# Altium PCB ModuleBackup4.PcbDoc (part 1 of 3) (continued)
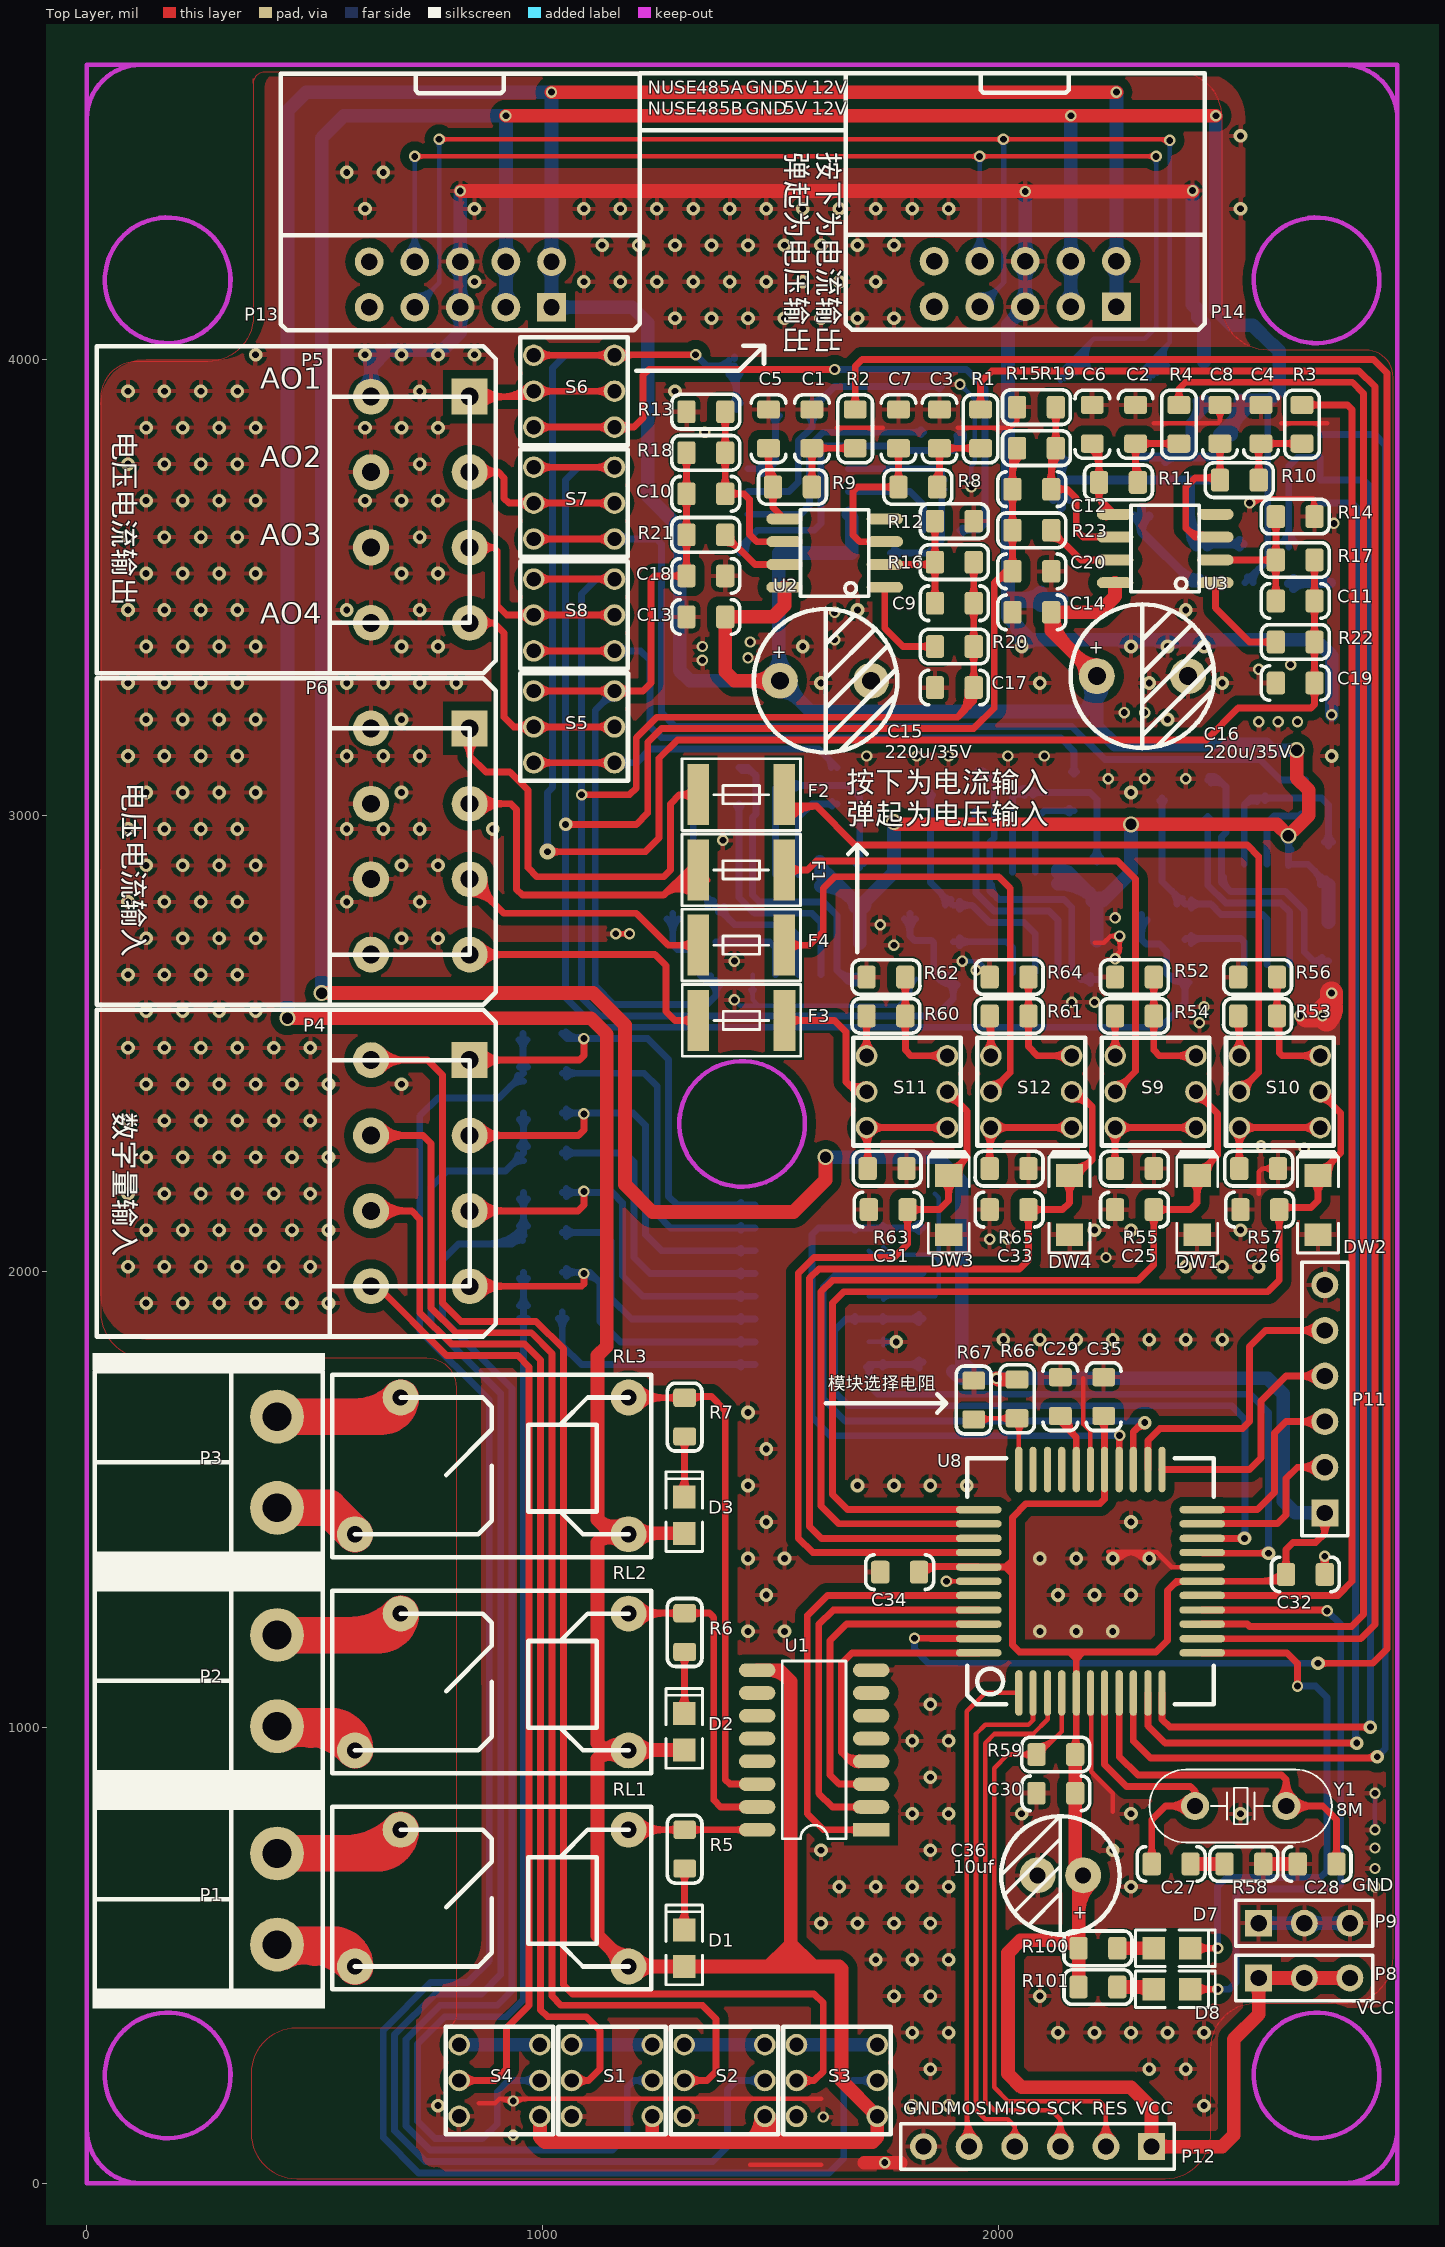
[diagram p0: Top Layer view]
## Footprints (in the part's own frame and the unit in brackets; to place one, negate y for a bottom-side part, rotate by r counter-clockwise, add the part's x,y. Pads: shape width x height; smd on the part's side, far side on the other; paste and mask are expansions set on the pad) (continued)
PPTC_SMT [mm]
  rect 1.2x3.4 smd: 1(-2.4,0) 2(2.4,0)
  silkscreen extent -3.3,-2 3.3,2, body extent -2.36,-2.08 2.62,2.08, height 0.5
QFP44 [mil]
  oval 100x16 smd: 1(-245,157) 2(-245,126) 3(-245,94) 4(-245,63) 5(-245,31) 6(-245,0) 7(-245,-31) 8(-245,-63) 9(-245,-94) 10(-245,-126) 11(-245,-157) 23(245,-157) 24(245,-126) 25(245,-94) 26(245,-63) 27(245,-31) 28(245,0) 29(245,31) 30(245,63) 31(245,94) 32(245,126) 33(245,157)
  oval 16x100 smd: 12(-157,-245) 13(-126,-245) 14(-94,-245) 15(-63,-245) 16(-31,-245) 17(0,-245) 18(31,-245) 19(63,-245) 20(94,-245) 21(126,-245) 22(157,-245) 34(157,245) 35(126,245) 36(94,245) 37(63,245) 38(31,245) 39(0,245) 40(-31,245) 41(-63,245) 42(-94,245) 43(-126,245) 44(-157,245)
  silkscreen extent -270,-270 270,270
SMBJ_SMT [mil]
  rect 70x133.86 smd: A(-100,0) K(100,0)
  silkscreen extent -150,-79 149,79, body extent -91,-53 91,53, height 94
SO_16 [mil]
  rect 30x80 smd: 1(-175,-125)
  oval 30x80 smd: 2(-125,-125) 3(-75,-125) 4(-25,-125) 5(25,-125) 6(75,-125) 7(125,-125) 8(175,-125) 9(175,125) 10(125,125) 11(75,125) 12(25,125) 13(-25,125) 14(-75,125) 15(-125,125) 16(-175,125)
  silkscreen extent -195,-70 195,70, body extent -194,-115 192,113, height 69
SOP8 [mil]
  oval 24x80 smd: 1(-75,-110) 2(-25,-110) 3(25,-110) 4(75,-110) 5(75,110) 6(25,110) 7(-25,110) 8(-75,110)
  silkscreen extent -95,-75 95,75, body extent -97,-118 96,118, height 61
SOP-08 [mil]
  oval 24x80 smd: 1(-75,-110) 2(-25,-110) 3(25,-110) 4(75,-110) 5(75,110) 6(25,110) 7(-25,110) 8(-75,110)
  silkscreen extent -95,-75 95,75, body extent -97,-118 96,118, height 61
SOT_23 [mil]
  rect 30x40 smd: 1(-40,-50) 2(40,-50) 3(0,50)
  silkscreen extent -60,-35 60,35
XTAL-M [mil]
  round 62 hole 35.43: 1(0,0) 2(200,0)
  silkscreen extent -100,-80 300,80

## Part data
C1 C2 C5 C6 C9 C10 C11 C12 C13 C14 C17 C18 C19 C20 C21 C22 C23 C24 C25 C26 C31 C33 C37: library part CAP, "Capacitor"
C3 C4 C7 C8 C27 C28 C29 C30 C32 C34 C35: library part Cap, "Capacitor"
C15 C16: library part ELECTRO1, "Electrolytic Capacitor"
C36: library part "Cap Pol1", "Polarized Capacitor (Radial)"
D1 D2 D3: "Typical INFRARED GaAs LED"
D5 D6 DW1 DW2 DW3 DW4: library part DIODE, "Diode"
F1 F2 F3 F4 F5 F6: library part "Fuse 1", "Fuse"
P1 P2 P3: library part "Header 2", "Header, 2-Pin"
P4 P5 P6: library part "Header 8", "Header, 8-Pin"
P8 P9: library part "Header 3", "Header, 3-Pin"
P11 P12: library part "Header 6", "Header, 6-Pin"
P13 P14: "Header, 10-Pin, Right Angle"
Q1 Q2 Q3 Q4: "NPN Bipolar Transistor"
Q5 Q6 Q7 Q8: "PNP Bipolar Transistor"
R1 R2 R3 R4 R5 R6 R7 R8 R9 R10 R11 R12 R13 R14 R15 R16 R17 R18 R19 R20 R21 R22 R23 R24 R25 R26 R27 R28 R29 R30 R31 R36 R37 R38 R39 R40 R41 R42 R43 R44 R45 R46 R47 R48 R49 R50 R51 R52 R53 R54 R55 R56 R57 R58 R59 R60 R61 R62 R63 R64 R65 R66 R67 R69 R70 R71 R100 R101: library part Res2, "Resistor"
R32 R33 R34 R35 R68: library part res
RL1 RL2 RL3: library part RELAY
S1 S2 S3 S4 S5 S6 S7 S8 S9 S10 S11 S12: "Double-Pole, Double-Throw Switch"
U1: library part ULN2003A, "High-Voltage, High-Current Darlington Array"
Y1: library part XTAL, "Crystal Oscillator"

## Via types
v1: diameter 30, hole 15, Top Layer to Bottom Layer, tented both sides, 305 vias
v2: diameter 25, hole 15, Top Layer to Bottom Layer, tented both sides, 90 vias
v3: diameter 35, hole 25, Top Layer to Bottom Layer, tented both sides, 7 vias
v4: diameter 35, hole 15, Top Layer to Bottom Layer, tented both sides, 1 vias

## Nets (pads, with @x,y where several pads share a name; then routed paths per layer and width w, separated by ;. In a path a pad name is that pad's centre, name@x,y a point inside that pad or via, vN(x,y) a via of type N, cw(c..) or ccw(c..) an arc to the next point about the centre after c; other vN are vias at no path point)
0~10V(1): C11.2 C19.1 C21.1 R17.1 R22.1 R36.2 S6.3 S6.6 | length 4836
  Top Layer w15: S6.6@980,4008.74 S6.3@1157.16,4008.74 1158.42,4010 v2(1335,4010) ; S6.6@991.4,3997.34 cw(c1018.92,3969.82) 1018.92,4008.74 cw(c1018.92,4047.66) S6.6@991.4,4020.14 ; v4(1010,2920) 1225,2920 1255,2950 1255,3125 1295,3165 2455,3165 2525,3235 2684.9,3235 2692.6,3242.71 C19.1@2692.6,3290 2692.5,3290.1 R22.1@2692.5,3380 2692.6,3380.1 C11.2@2692.6,3470 2692.5,3470.1 R17.1@2692.5,3560 ; v4@1017.07,2912.93 cw(c1034.14,2895.86) 1034.14,2920 cw(c1034.14,2944.14) v4@1017.07,2927.07 ; S6.3@1145.76,3997.34 ccw(c1118.24,3969.82) 1118.24,4008.74 ccw(c1118.24,4047.66) S6.3@1145.76,4020.14 ; S6.3@1168.56,3997.34 cw(c1199.13,3966.78) 1199.13,4010 ; S6.3@1168.56,4020.14 ccw(c1193.04,4044.62) 1193.04,4010 ; R22.1@2683.66,3366.16 cw(c2662.32,3344.82) 2692.5,3344.82 cw(c2722.68,3344.82) R22.1@2701.34,3366.16 ; R22.1@2683.66,3393.84 ccw(c2662.07,3415.43) 2692.6,3415.43 ; R17.1@2683.66,3546.16 cw(c2662.32,3524.82) 2692.5,3524.82 cw(c2722.68,3524.82) R17.1@2701.34,3546.16 ; C19.1@2683.77,3276.16 cw(c2662.43,3254.82) 2692.6,3254.82 cw(c2722.78,3254.82) C19.1@2701.44,3276.16 ; C19.1@2683.77,3303.84 ccw(c2662.68,3324.93) 2692.5,3324.93 ; C11.2@2683.77,3456.16 cw(c2662.43,3434.82) 2692.6,3434.82 cw(c2722.78,3434.82) C11.2@2701.44,3456.16 ; C11.2@2683.77,3483.84 ccw(c2662.68,3504.93) 2692.5,3504.93 ; 2692.5,3325.43 ccw(c2723.03,3325.43) C19.1@2701.44,3303.84 ; 2692.5,3505.43 ccw(c2723.03,3505.43) C11.2@2701.44,3483.84 ; 2692.6,3414.93 ccw(c2722.43,3414.93) R22.1@2701.34,3393.84
  Bottom Layer w15: v4@1002.93,2927.07 ccw(c985.86,2944.14) 1010,2944.14 ccw(c1034.14,2944.14) v4@1017.07,2927.07 ; v4(1010,2920) 1010,3050 1021.12,3061.12 1021.12,3981.12 1048.74,4008.74 S6.3@1157.16,4008.74 ; S6.3@1145.76,3997.34 ccw(c1118.24,3969.82) 1118.24,4008.74 ccw(c1118.24,4047.66) S6.3@1145.76,4020.14 ; v2(1335,4010) 1360,3985 C21.1@1412.5,3985 ; C21.1@1407.63,3967.63 cw(c1365.68,3925.68) 1425,3925.68 ; C21.1@1407.63,3972.63 ccw(c1377.75,3942.75) 1377.75,3985 ccw(c1377.75,4027.25) C21.1@1407.63,3997.37 ; R36.2@1416.16,3903.84 ccw(c1394.82,3925.18) 1425,3925.18 ccw(c1455.18,3925.18) R36.2@1433.84,3903.84 ; C21.1@1420,3985 C21.1@1412.5,3985 ; C21.1@1420,4001.82 C21.1@1420,4005 ; R36.2@1425,3890 1425,3963.18 1412.5,3975.68 C21.1@1412.5,3985 ; 1425,3949.82 cw(c1450.18,3949.82) C21.1@1432.37,3967.63
0~10V(2): C12.2 C20.1 C24.1 R19.1 R23.1 R39.2 S7.3 S7.6 | length 5691.1
  Top Layer w15: S7.6@980,3763.32 S7.3@1157.17,3763.32 ; S7.6@991.4,3751.92 cw(c1018.92,3724.4) 1018.92,3763.32 cw(c1018.92,3802.24) S7.6@991.4,3774.72 ; v1(1050,2980) 1205,2980 1230,3005 1230,3159.64 1260.36,3190 1945,3190 1990,3235 1990,3510 ; v1@1055.3,2974.7 cw(c1068.11,2961.89) 1068.11,2980 cw(c1068.11,2998.11) v1@1055.3,2985.3 ; S7.3@1145.77,3751.92 ccw(c1118.24,3724.4) 1118.24,3763.32 ccw(c1118.24,3802.24) S7.3@1145.77,3774.72 ; 2006.89,3526.89 cw(c2023.21,3510.57) C20.1@2030.82,3532.36 ; C20.1@2021.16,3548.84 ccw(c1999.82,3570.18) 2030,3570.18 ccw(c2060.18,3570.18) C20.1@2038.84,3548.84 ; R23.1@2021.16,3611.16 cw(c1999.82,3589.82) 2030,3589.82 cw(c2060.18,3589.82) R23.1@2038.84,3611.16 ; R23.1@2021.16,3638.84 ccw(c1999.82,3660.18) 2030,3660.18 ccw(c2060.18,3660.18) R23.1@2038.84,3638.84 ; C12.2@2021.16,3701.16 cw(c1999.82,3679.82) 2030,3679.82 cw(c2060.18,3679.82) C12.2@2038.84,3701.16 ; C12.2@2021.16,3728.84 ccw(c1999.82,3750.18) 2030,3750.18 ccw(c2060.18,3750.18) C12.2@2038.84,3728.84 ; C20.1@2025.88,3518.2 ccw(c2014.47,3485.53) 1990,3510 ; 2030,3745.68 cw(c2094.32,3745.68) R19.1@2048.84,3791.16 ; R19.1@2030,3781.89 cw(c2058.11,3781.89) R19.1@2038.23,3801.77 ; R19.1@2040,3805 2030,3795 C12.2@2030,3715 R23.1@2030,3625 C20.1@2030,3535 2015,3535 1990,3510
  Bottom Layer w15: v1@1044.7,2974.7 cw(c1031.89,2961.89) 1050,2961.89 cw(c1068.11,2961.89) v1@1055.3,2974.7 ; v1@1044.7,2985.3 ccw(c1031.89,2998.11) 1050,2998.11 ccw(c1068.11,2998.11) v1@1055.3,2985.3 ; S7.3@1145.77,3751.92 ccw(c1118.24,3724.4) 1118.24,3763.32 ccw(c1118.24,3802.24) S7.3@1145.77,3774.72 ; S7.3@1157.17,3763.32 1078.32,3763.32 1050,3735 v1(1050,2980) 1050,2600 1115,2535 2355,2535 2408.21,2588.21 R39.2@2408.21,2642.5 2378.21,2642.5 ; C24.1@2300.84,2770.13 cw(c2270.96,2740.25) 2313.21,2740.25 cw(c2355.46,2740.25) C24.1@2325.59,2770.13 ; C24.1@2313.21,2782.5 2313.21,2727.5 2323.21,2717.5 2351.98,2717.5 2368.21,2701.27 2368.21,2652.5 ; 2379.4,2641.32 ccw(c2392.5,2654.42) R39.2@2404.88,2640.64 ; R39.2@2393.21,2635 ccw(c2378.21,2623.75) 2378.21,2642.5 ; R39.2@2393.21,2650 cw(c2378.21,2661.25) 2378.21,2642.5 ; R39.2@2394.85,2651.79 cw(c2381.9,2666.19) 2368.21,2652.5 ; R39.2@2399.37,2633.66 cw(c2378.03,2612.32) 2408.21,2612.32 cw(c2438.39,2612.32) R39.2@2417.05,2633.66 ; 2368.21,2652.5 2378.21,2642.5
0~10V(3): C9.2 C17.1 C22.1 R16.1 R20.1 R37.2 S8.3 S8.6 | length 4385.4
  Top Layer w15: S8.6@980,3517.9 S8.3@1157.17,3517.9 ; S8.6@991.4,3506.5 cw(c1018.92,3478.98) 1018.92,3517.9 cw(c1018.92,3556.82) S8.6@991.4,3529.3 ; v2(1085,3045) 1190,3045 1205,3060 1205,3170 1250,3215 1910,3215 ; S8.3@1145.77,3506.5 ccw(c1118.24,3478.98) 1118.24,3517.9 ccw(c1118.24,3556.82) S8.3@1145.77,3529.3 ; C17.1@1932.52,3274.26 cw(c1855.31,3269.69) 1910,3215 ; 1933.61,3238.61 ccw(c1899.89,3272.33) C17.1@1947.5,3275.15 ; C17.1@1936.16,3293.84 ccw(c1914.82,3315.18) 1945,3315.18 ccw(c1975.18,3315.18) C17.1@1953.84,3293.84 ; R20.1@1936.16,3356.16 cw(c1914.82,3334.82) 1945,3334.82 cw(c1975.18,3334.82) R20.1@1953.84,3356.16 ; R20.1@1936.16,3383.84 ccw(c1914.82,3405.18) 1945,3405.18 ccw(c1975.18,3405.18) R20.1@1953.84,3383.84 ; C9.2@1936.16,3451.16 cw(c1914.82,3429.82) 1945,3429.82 cw(c1975.18,3429.82) C9.2@1953.84,3451.16 ; C9.2@1936.16,3478.84 ccw(c1914.82,3500.18) 1945,3500.18 ccw(c1975.18,3500.18) C9.2@1953.84,3478.84 ; R16.1@1936.16,3541.16 cw(c1914.82,3519.82) 1945,3519.82 cw(c1975.18,3519.82) R16.1@1953.84,3541.16 ; C17.1@1937.5,3265 cw(c1926.25,3250) 1945,3250 ; R16.1@1945,3555 C9.2@1945,3465 R20.1@1945,3370 C17.1@1945,3280 1945,3250 ; C17.1@1952.5,3265 ccw(c1963.75,3250) 1945,3250 ; 1910,3215 1945,3250
  Bottom Layer w15: S8.3@1145.77,3506.5 ccw(c1118.24,3478.98) 1118.24,3517.9 ccw(c1118.24,3556.82) S8.3@1145.77,3529.3 ; S8.3@1157.17,3517.9 1117.9,3517.9 1085,3485 v2(1085,3045) 1085,2600.36 1125.36,2560 1862.5,2560 1900,2597.5 R37.2@1900,2637.5 1872.5,2637.5 ; C22.1@1792.63,2772.63 cw(c1762.75,2742.75) 1805,2742.75 cw(c1847.25,2742.75) C22.1@1817.37,2772.63 ; C22.1@1805,2785 1805,2735 1815,2725 1852.5,2725 1857.5,2720 1857.5,2652.5 ; 1871.36,2638.64 ccw(c1885.96,2653.24) R37.2@1896.24,2635.33 ; R37.2@1884.39,2630.9 ccw(c1872.5,2623.5) 1872.5,2637.5 ; R37.2@1884.39,2644.1 cw(c1872.5,2651.5) 1872.5,2637.5 ; R37.2@1888.78,2648.34 cw(c1875.86,2670.85) 1857.5,2652.5 ; R37.2@1891.16,2628.66 cw(c1869.82,2607.32) 1900,2607.32 cw(c1930.18,2607.32) R37.2@1908.84,2628.66 ; 1857.5,2652.5 1872.5,2637.5
0~10V(4): C10.2 C18.1 C23.1 R18.1 R21.1 R38.2 S5.3 S5.6 | length 2765.9
  Top Layer w15: S5.6@980,3272.48 S5.3@1157.17,3272.48 1220,3272.48 1237.48,3289.96 1237.48,3517.48 1245,3525 C18.1@1315,3525 R21.1@1315,3615 C10.2@1315,3705 R18.1@1315,3795 ; S5.6@991.4,3261.08 cw(c1018.92,3233.56) 1018.92,3272.48 cw(c1018.92,3311.4) S5.6@991.4,3283.88 ; S5.3@1145.77,3261.08 ccw(c1118.24,3233.56) 1118.24,3272.48 ccw(c1118.24,3311.4) S5.3@1145.77,3283.88 ; S5.3@1168.57,3261.08 cw(c1196.09,3233.56) 1196.09,3272.48 cw(c1196.09,3311.4) S5.3@1168.57,3283.88 ; C18.1@1306.16,3516.16 ccw(c1284.82,3494.82) 1284.82,3525 ccw(c1284.82,3555.18) C18.1@1306.16,3533.84 ; C18.1@1306.16,3538.84 ccw(c1284.82,3560.18) 1315,3560.18 ccw(c1345.18,3560.18) C18.1@1323.84,3538.84 ; R21.1@1306.16,3601.16 cw(c1284.82,3579.82) 1315,3579.82 cw(c1345.18,3579.82) R21.1@1323.84,3601.16 ; R21.1@1306.16,3628.84 ccw(c1284.82,3650.18) 1315,3650.18 ccw(c1345.18,3650.18) R21.1@1323.84,3628.84 ; C10.2@1306.16,3691.16 cw(c1284.82,3669.82) 1315,3669.82 cw(c1345.18,3669.82) C10.2@1323.84,3691.16 ; C10.2@1306.16,3718.84 ccw(c1284.82,3740.18) 1315,3740.18 ccw(c1345.18,3740.18) C10.2@1323.84,3718.84 ; R18.1@1306.16,3781.16 cw(c1284.82,3759.82) 1315,3759.82 cw(c1345.18,3759.82) R18.1@1323.84,3781.16
  Bottom Layer w15: S5.3@1141.04,3272.48 cw(c1102.12,3272.48) 1129.64,3244.96 cw(c1157.17,3217.44) S5.3@1157.17,3256.36 ; S5.3@1157.17,3272.48 1115,3230.31 1115,2625 1155,2585 1360,2585 1380,2605 R38.2@1380,2637.5 1357.5,2637.5 1345,2650 ; C23.1@1272.63,2772.63 cw(c1242.75,2742.75) 1285,2742.75 cw(c1327.25,2742.75) C23.1@1297.37,2772.63 ; C23.1@1285,2785 1285,2715 1295,2705 1330,2705 1345,2690 1345,2650 ; R38.2@1367.97,2647.83 cw(c1357.79,2662.79) 1345,2650 ; R38.2@1371.16,2628.66 cw(c1349.82,2607.32) 1380,2607.32 cw(c1410.18,2607.32) R38.2@1388.84,2628.66
5V: C30.2 C32.2 C34.2 C35.1 C36.1 C37.1 P8.1 P8.2 P8.3 P11.1 P12.1 P13.3 P13.4 P14.3 P14.4 R32.2 R33.2 R34.2 R35.2 R59.2 R66.2 R69.2 R100.1 R101.1 U8.5 U8.17 U8.27 U8.38 U9.8 | length 15267.4
  Top Layer w15: C34.2@1825,1340 1837.5,1352.5 1954.5,1352.5 U8.38@1956,1351 2026,1351 2030,1355 ; C34.2@1833.84,1336.16 cw(c1873.28,1296.72) 1873.28,1352.5 ; 2030,1336 2015,1351 2030,1366 ; 2155,1165 2170,1150 2185,1165 ; R59.2@2158.66,953.84 ccw(c2131.29,981.21) 2170,981.21 ; R59.2@2167.5,940 2170,942.5 U8.5@2170,1075 2170,1165 ; 2170,969.14 ccw(c2191.64,969.14) R59.2@2176.34,953.84 ; C35.1@2221.16,1673.66 cw(c2194.99,1647.49) 2232,1647.49 ; C35.1@2230,1682.5 2232,1680.5 U8.27@2232,1565 2232,1500 2222,1490 2060,1490 2030,1460 2030,1355 ; 2232,1657.15 cw(c2255.35,1657.15) C35.1@2238.84,1673.66 ; 2379.25,1309.25 cw(c2404,1284.49) U8.17@2404,1319.5 ; 2575.68,1320 ccw(c2575.68,1384.32) C32.2@2621.16,1338.84 ; C32.2@2611.89,1320 ccw(c2611.89,1348.11) C32.2@2631.77,1328.23 ; C32.2@2621.16,1348.84 ccw(c2599.82,1370.18) 2630,1370.18 ccw(c2660.18,1370.18) C32.2@2638.84,1348.84 ; C32.2@2630,1335 2630,1390 2645,1405 2695,1405 2715,1425 ; C32.2@2635,1335 2620,1320 U8.17@2446,1320 2390,1320 2370,1300 2370,1190 2345,1165 2170,1165 ; P11.1@2701.49,1452.6 cw(c2680.05,1425) 2715,1425 ; P11.1@2715,1470 2715,1425 ; P11.1@2728.51,1452.6 ccw(c2749.95,1425) 2715,1425 ; 2030,1355 2030,1180 2045,1165 2170,1165
  Top Layer w30: v3(515,2610) 1110,2610 1180,2540 1180,2190 1240,2130 1550,2130 1620,2200 v3@1620,2245 ; v2(919,4534) v2(2158,4534) v2(2476,4534) ; v2(1995,1765) 1997.5,1762.5 R66.2@2040,1762.5 ; 2132.75,532.5 cw(c2132.75,477.75) R100.1@2171.46,516.46 ; R59.2@2167.5,940 C30.2@2167.5,855 2167.5,692.5 C36.1@2185,675 2175,665 2175,545 ; R101.1@2175,430 R100.1@2175,515 2175,545 ; 2175,592.02 cw(c2267.98,592.02) C36.1@2202.23,657.77 ; P12.1@2324.73,90.27 ccw(c2299.93,115.07) 2335,115.07 ccw(c2370.07,115.07) 2345.27,90.27 ccw(c2370.07,115.07) 2370.07,80 ccw(c2370.07,44.93) P12.1@2345.27,69.73 ; P8.1@2559.73,439.73 cw(c2534.93,414.93) 2570,414.93 cw(c2605.07,414.93) 2580.27,439.73 cw(c2605.07,414.93) 2605.07,450 cw(c2605.07,485.07) P8.1@2580.27,460.27 ; P8.2@2659.73,439.73 ccw(c2634.93,414.93) 2634.93,450 ccw(c2634.93,485.07) P8.2@2659.73,460.27 ; P8.2@2680.27,439.73 cw(c2705.07,414.93) 2705.07,450 cw(c2705.07,485.07) P8.2@2680.27,460.27 ; P8.3@2759.73,439.73 ccw(c2734.93,414.93) 2734.93,450 ccw(c2734.93,485.07) P8.3@2759.73,460.27 ; P8.3@2770,450 P8.2@2670,450 P8.1@2570,450 2570,370 2515,315 2515,105 2490,80 P12.1@2335,80 2335,165 2290,210 2050,210 2020,240 2020,505 2047.5,532.5 2162.5,532.5 2175,545
  Bottom Layer w15: R69.2@2540,3510 2590,3560 2590,3905 2595,3910 ; R69.2@2545,3522.5 ccw(c2545,3540.61) R69.2@2557.8,3527.8 ; R69.2@2557.5,3510 cw(c2599.75,3510) 2569.87,3539.87
  Bottom Layer w30: v3(515,2610) 515,4485 564,4534 v2(919,4534) P13.4@919,4214 P13.3@919,4114 ; P13.3@907.34,4125.66 ccw(c879.18,4153.82) 919,4153.82 ccw(c958.82,4153.82) P13.3@930.66,4125.66 ; P13.4@907.34,4202.34 cw(c879.18,4174.18) 919,4174.18 cw(c958.82,4174.18) P13.4@930.66,4202.34 ; P13.4@907.34,4225.66 ccw(c879.18,4253.82) 919,4253.82 ccw(c958.82,4253.82) P13.4@930.66,4225.66 ; v3(1620,2250) 1865,2250 1918.54,2196.46 R34.2@1918.54,2096.09 R33.2@1918.54,1996.09 R32.2@1918.54,1896.09 R35.2@1918.54,1801.09 1918.54,1765 v2(1995,1765) ; R35.2@1899.24,1780.2 ccw(c1931.44,1806.7) 1931.44,1765 ; R35.2@1922.4,1799.27 ccw(c1995,1859.03) v2(1995,1765) ; P14.3@2146.34,4126.66 ccw(c2118.18,4154.82) 2158,4154.82 ccw(c2197.82,4154.82) P14.3@2169.66,4126.66 ; P14.4@2146.34,4203.34 cw(c2118.18,4175.18) 2158,4175.18 cw(c2197.82,4175.18) P14.4@2169.66,4203.34 ; P14.4@2146.34,4226.66 ccw(c2118.18,4254.82) 2158,4254.82 ccw(c2197.82,4254.82) P14.4@2169.66,4226.66 ; P14.3@2158,4115 P14.4@2158,4215 v2(2158,4534) ; v2(2476,4534) 2476,4109 2510,4075 2556.63,4075 2598.6,4033.04 2600,4033.04 2615,4018.04 2615,3930 2595,3910 ; U9.8@2485,3835 2540,3890 C37.1@2540,3910 2585,3910 ; 2508.79,3858.79 ccw(c2457.57,3910) C37.1@2530,3910 ; U9.8@2510,3835 cw(c2570.36,3835) 2527.68,3877.68 ; P11.1@2704.73,1459.73 ccw(c2679.93,1434.93) 2679.93,1470 ccw(c2679.93,1505.07) P11.1@2704.73,1480.27 ; P11.1@2715,1470 2650,1470 2624,1496 2624,1731 2590,1765 v2(1995,1765)
12V: C13.2 C14.2 C15.1 C16.1 D1.1 D2.1 D3.1 P13.1 P13.2 P14.1 P14.2 R40.2 R41.2 R42.2 R43.2 R44.2 R45.2 R46.2 R47.2 RL1.1 RL2.1 RL3.1 S1.6 S2.6 S3.6 S4.6 U1.9 U2.8 U3.8 U4.8 U5.8 U6.8 U7.8 | length 19845.4
  Top Layer w30: v3(440,2555) 1105,2555 1140,2520 1140,1835 1120,1815 1120,1455 ; S4.6@993.58,146.26 993.58,100.25 1003.83,90 1110,90 1410,90 ; v2(1019,4586) v2(2258,4586) ; 1141.6,1426.6 cw(c1166.98,1401.21) RL3.1@1191.91,1427.05 ; 1142.11,952.11 cw(c1167.5,926.73) RL2.1@1191.81,953.14 ; RL1.1@1163.63,475 ccw(c1104.8,475) 1146.4,516.6 ccw(c1188,558.2) RL1.1@1188,499.37 ; RL3.1@1168.8,1407.99 ccw(c1138,1383.9) 1138,1423 ; RL3.1@1168.8,1438.01 cw(c1138,1462.1) 1138,1423 ; RL2.1@1169.27,933.41 ccw(c1136,905.71) 1136,949 ; RL2.1@1169.27,964.59 cw(c1136,992.29) 1136,949 ; RL3.1@1171.08,1405.46 ccw(c1145.77,1379.23) 1120,1405 ; RL2.1@1171.5,931.07 ccw(c1146.31,903.7) 1120,930 ; RL3.1@1177.57,1445.02 cw(c1155.86,1490.86) 1120,1455 ; RL1.1@1205.23,457.77 cw(c1246.83,416.17) 1246.83,475 cw(c1246.83,533.83) RL1.1@1205.23,492.23 ; RL2.1@1205.23,931.77 cw(c1249.25,887.75) 1249.25,950 ; RL2.1@1205.23,966.23 ccw(c1244.42,1005.42) 1244.42,950 ; RL3.1@1205.23,1405.77 cw(c1251.66,1359.34) 1251.66,1425 ; RL3.1@1205.23,1440.23 ccw(c1242.01,1477.01) 1242.01,1425 ; 1230,90 1410,90 ; 1240.25,100.25 S1.6@1240.25,146.26 ; D2.1@1310,950 1189,950 RL2.1@1188,949 1139,949 ; D3.1@1310,1425 1190,1425 RL3.1@1188,1423 RL3.1@1152,1423 ; 1455.81,91.98 ccw(c1401.53,146.26) S2.6@1478.29,146.26 ; U1.9@1470,1125 1518.58,1125 1543.58,1100 1543.58,475 ; S2.6@1486.92,146.26 S2.6@1486.92,123.08 ; 1495,475 1537.43,517.43 ; U1.9@1495,1125 cw(c1495,1068.07) 1535.26,1108.32 ; S2.6@1495.54,146.26 ccw(c1572.3,146.26) 1518.02,91.98 ; C15.1@1502.77,3277.77 ccw(c1461.17,3236.17) 1461.17,3295 ccw(c1461.17,3353.83) C15.1@1502.77,3312.23 ; C15.1@1520,3295 1420,3295 1400,3315 C13.2@1400,3435 1505,3435 1530,3460 U2.8@1530,3500 ; 1543.58,525 1586.01,482.57 ; v3(1770,2985) 1775,2980 v3(2290,2980) 2610,2980 v3(2635,2955) ; v3@1771.77,2986.77 ccw(c1788.11,3003.11) 1788.11,2980 ; C14.2@2120,3440 ccw(c2216.57,3440) 2148.28,3371.72 ; C16.1@2190.63,3305 ccw(c2131.8,3305) 2173.4,3346.6 ccw(c2215,3388.2) C16.1@2215,3329.37 ; C16.1@2215,3305 2115,3405 C14.2@2115,3445 2220,3445 2255,3480 U3.8@2255,3510 ; v3@2645,2965 2680,3000 2680,3055 2653.2,3081.8 v3(2653.2,3142.84) ; 1120,930 1139,949 ; 1120,930 1120,543 RL1.1@1188,475 D1.1@1310,475 1543.58,475 ; 1120,1405 1138,1423 ; 1120,1405 1120,965 1136,949 ; 1120,1455 RL3.1@1152,1423 ; 1136,949 1139,949 ; 1138,1423 RL3.1@1152,1423 ; 1139,949 cw(c1139,911.93) 1168.57,934.3 ccw(c1139,911.93) 1139,949 ; 1139,949 ccw(c1139,986.07) 1168.57,963.7 cw(c1139,986.07) 1139,949 ; 1410,90 1497.16,90 1486.92,100.25 1476.67,90 1453.83,90 S2.6@1486.92,123.08 ; 1410,90 1520,90 ; S2.6@1486.92,123.08 1520,90 ; 1520,90 1723.33,90 1733.58,100.25 S3.6@1733.58,146.26 1655,224.84 1655,470 1650,475 1543.58,475
  Bottom Layer w15: v3@2627.93,2947.93 cw(c2610.86,2930.86) 2635,2930.86 cw(c2659.14,2930.86) v3@2642.07,2947.93 ; U7.8@2635,2890.08 v3(2635,2955) ; v3@2635,2939.12 ccw(c2656.83,2939.12) U7.8@2641.39,2923.68 ; 2636.08,2935.08 cw(c2646.28,2937.81) v3@2640.49,2946.64 ; U7.8@2638.21,2892.5 2678.21,2892.5 R47.2@2723.21,2847.5 ; 2693.34,2877.37 cw(c2663.46,2847.5) R47.2@2705.71,2847.5 ; R47.2@2705.41,2865.3 ccw(c2718.21,2878.11) R47.2@2718.21,2860
  Bottom Layer w30: v3(440,2555) 440,4545 481,4586 v2(1019,4586) P13.2@1019,4214 P13.1@1019,4114 1196,4114 1230,4080 1230,3700 1300,3630 1300,3317.5 1322.5,3295 C15.1@1520,3295 ; P13.1@1007.34,4125.66 ccw(c979.18,4153.82) 1019,4153.82 ccw(c1058.82,4153.82) 1030.66,4125.66 ccw(c1058.82,4153.82) 1058.82,4114 ccw(c1058.82,4074.18) P13.1@1030.66,4102.34 ; P13.2@1007.34,4202.34 cw(c979.18,4174.18) 1019,4174.18 cw(c1058.82,4174.18) P13.2@1030.66,4202.34 ; P13.2@1007.34,4225.66 ccw(c979.18,4253.82) 1019,4253.82 ccw(c1058.82,4253.82) P13.2@1030.66,4225.66 ; C15.1@1502.77,3277.77 ccw(c1461.17,3236.17) 1461.17,3295 ccw(c1461.17,3353.83) 1502.77,3312.23 ccw(c1467.2,3347.8) 1517.5,3347.8 ; 1517.5,3359.87 ccw(c1584.87,3359.87) C15.1@1537.23,3312.23 ; C15.1@1520,3270.63 cw(c1520,3211.8) 1561.6,3253.4 cw(c1603.2,3295) C15.1@1544.37,3295 ; U6.8@1607,2898 ccw(c1631.14,2898) U6.8@1614.07,2880.93 ; U6.8@1610,2845 cw(c1610,2748.43) R45.2@1678.28,2816.72 ; U6.8@1610,2870 1625,2870 R45.2@1695,2800 ; U6.8@1610,2875 cw(c1610,2850.86) 1627.07,2867.93 ; R43.2@1670,3575 R40.2@1517.5,3575 1517.5,3297.5 C15.1@1520,3295 ; U4.8@1670,3660 1677.5,3652.5 R43.2@1677.5,3575 ; U4.8@1672.12,3662.12 cw(c1659.14,3649.14) U4.8@1677.5,3649.14 ; R45.2@1677.93,2817.07 cw(c1660.86,2800) R45.2@1685,2800 ; R42.2@1695,2720 R45.2@1695,2800 ; R45.2@1705,2800 cw(c1729.14,2800) R45.2@1712.07,2817.07 ; v3(1770,2985) 1770,2875 R45.2@1695,2800 ; U5.8@2130,2850 cw(c2130,2735.33) R44.2@2211.09,2816.41 ; U5.8@2130,2875 2152.5,2875 R44.2@2215,2812.5 ; U5.8@2130,2880 cw(c2130,2837.75) 2159.87,2867.63 ; C16.1@2194.48,3291.86 cw(c2150.99,3264.02) 2187.5,3227.5 ; C16.1@2197.77,3287.77 cw(c2156.17,3246.17) 2215,3246.17 cw(c2273.83,3246.17) C16.1@2232.23,3287.77 ; R44.2@2197.93,2829.57 cw(c2180.86,2812.5) R44.2@2205,2812.5 ; 2213.87,3253.87 ccw(c2183.14,3284.6) C16.1@2219.74,3308.04 ; R41.2@2215,2725 R44.2@2215,2812.5 ; C16.1@2215,3305 2215,3255 ; R44.2@2220,2817.5 ccw(c2220,2847.68) 2241.34,2826.34 ; P14.1@2246.34,4126.66 ccw(c2218.18,4154.82) 2258,4154.82 ccw(c2297.82,4154.82) P14.1@2269.66,4126.66 ; P14.2@2246.34,4203.34 cw(c2218.18,4175.18) 2258,4175.18 cw(c2297.82,4175.18) P14.2@2269.66,4203.34 ; P14.2@2246.34,4226.66 ccw(c2218.18,4254.82) 2258,4254.82 ccw(c2297.82,4254.82) P14.2@2269.66,4226.66 ; P14.1@2258,4115 P14.2@2258,4215 v2(2258,4586) ; v3(2290,2980) 2290,2875 2227.5,2812.5 R44.2@2215,2812.5 ; v3(2653.2,3142.84) 2598.12,3142.84 2585.96,3155 2255,3155 2215,3195 2215,3255 ; R46.2@2723.21,2765 R47.2@2723.21,2847.5 ; C15.1@1520,3295 1587.5,3227.5 2187.5,3227.5 ; 2187.5,3227.5 2215,3255 ; 2215,3255 cw(c2254.1,3255) 2230.01,3285.8 ccw(c2254.1,3255) 2215,3255 ; 2215,3255 ccw(c2175.9,3255) 2199.99,3285.8 cw(c2175.9,3255) 2215,3255
485A: F6.1 P13.8 P14.8 | length 3660.4
  Top Layer w10: v2(719,4445) v2(1958,4445) v2(2345,4445) ; v2@724.3,4439.7 cw(c737.11,4426.89) 737.11,4445 cw(c737.11,4463.11) v2@724.3,4450.3 ; v2@1952.7,4439.7 ccw(c1939.89,4426.89) 1939.89,4445 ccw(c1939.89,4463.11) v2@1952.7,4450.3 ; v2@1963.3,4439.7 cw(c1976.11,4426.89) 1976.11,4445 cw(c1976.11,4463.11) v2@1963.3,4450.3 ; v2@2339.7,4439.7 ccw(c2326.89,4426.89) 2326.89,4445 ccw(c2326.89,4463.11) v2@2339.7,4450.3
  Bottom Layer w10: P13.8@700.26,4232.74 ccw(c655.03,4277.97) 719,4277.97 ccw(c782.97,4277.97) P13.8@737.74,4232.74 ; P13.8@707.34,4225.66 ccw(c679.18,4253.82) 719,4253.82 ccw(c758.82,4253.82) P13.8@730.66,4225.66 ; v2@713.7,4439.7 cw(c700.89,4426.89) 719,4426.89 cw(c737.11,4426.89) v2@724.3,4439.7 ; P13.8@719,4214 v2(719,4445) ; P14.8@1939.26,4233.74 ccw(c1894.03,4278.97) 1958,4278.97 ccw(c2021.97,4278.97) P14.8@1976.74,4233.74 ; P14.8@1946.34,4226.66 ccw(c1918.18,4254.82) 1958,4254.82 ccw(c1997.82,4254.82) P14.8@1969.66,4226.66 ; v2@1952.7,4439.7 cw(c1939.89,4426.89) 1958,4426.89 cw(c1976.11,4426.89) v2@1963.3,4439.7 ; P14.8@1958,4215 v2(1958,4445) ; F6.1@2135.26,3952.06 cw(c2154.07,3961.47) F6.1@2139.2,3976.34 ; F6.1@2144.2,3956.53 cw(c2167.15,3968.01) F6.1@2149,3986.15 ; F6.1@2153.15,3961.01 cw(c2180.22,3974.55) F6.1@2158.81,3995.96 ; F6.1@2162.09,3965.48 cw(c2193.29,3981.09) 2168.62,4005.77 ; F6.1@2171.03,3969.95 cw(c2206.37,3987.63) 2178.43,4015.57 ; F6.1@2179.97,3974.43 cw(c2219.44,3994.18) 2188.24,4025.38 ; F6.1@2188.92,3978.9 cw(c2232.52,4000.72) 2198.04,4035.19 ; F6.1@2192.9,3975.05 F6.1@2137.9,3975.05 2207.85,4045 ; F6.1@2197.86,3983.38 cw(c2245.59,4007.26) 2207.85,4045 ; v2@2339.7,4439.7 cw(c2326.89,4426.89) 2345,4426.89 cw(c2363.11,4426.89) v2@2350.3,4439.7 ; v2(2345,4445) 2345,4070 2320,4045 2207.85,4045
485B: F5.1 P13.7 P14.7 | length 4068.9
  Top Layer w10: v2(772.5,4482.5) v2(2010,4482.5) v2@2375,4482.5 ; v2@777.81,4477.2 cw(c790.61,4464.4) 790.61,4482.5 cw(c790.61,4500.61) v2@777.81,4487.81 ; v2@2004.7,4477.2 ccw(c1991.89,4464.4) 1991.89,4482.5 ccw(c1991.89,4500.61) v2@2004.7,4487.81 ; v2@2015.3,4477.2 cw(c2028.11,4464.4) 2028.11,4482.5 cw(c2028.11,4500.61) v2@2015.3,4487.81 ; 2350.85,4482.5 cw(c2350.85,4455.85) v2@2369.7,4474.7
  Bottom Layer w10: P13.7@719,4114 772.5,4167.5 v2(772.5,4482.5) ; P13.7@719,4130.5 ccw(c719,4170.32) 747.16,4142.16 ccw(c775.32,4114) P13.7@735.5,4114 ; P13.7@719,4140.5 ccw(c719,4204.46) 764.23,4159.23 ccw(c809.46,4114) P13.7@745.5,4114 ; v2@767.2,4477.2 cw(c754.4,4464.4) 772.5,4464.4 cw(c790.61,4464.4) v2@777.81,4477.2 ; P14.7@1958,4115 2010,4167 ; P14.7@1958,4131.5 ccw(c1958,4171.32) 1986.16,4143.16 ccw(c2014.32,4115) P14.7@1974.5,4115 ; P14.7@1958,4141.5 ccw(c1958,4205.46) 2003.23,4160.23 ccw(c2048.46,4115) P14.7@1984.5,4115 ; v2(2010,4482.5) 2010,4167 ; 2011.5,4460.77 ccw(c1988.26,4460.77) 2004.7,4477.2 cw(c1991.89,4464.4) 2010,4464.4 cw(c2028.11,4464.4) 2015.3,4477.2 ccw(c2024.48,4468.03) 2011.5,4468.03 ; v2@2011.5,4479.01 2011.5,4168.5 2010,4167 ; F5.1@2312.9,3975.05 2375,4037.15 ; F5.1@2330.97,3956.4 cw(c2355.49,3974.52) F5.1@2333.93,3996.08 ; F5.1@2339.01,3962.34 cw(c2364.94,3981.5) 2342.15,4004.29 ; F5.1@2347.06,3968.29 cw(c2374.39,3988.48) 2350.36,4012.51 ; F5.1@2355.1,3974.23 cw(c2383.84,3995.46) 2358.57,4020.72 ; F5.1@2363.14,3980.17 cw(c2393.28,4002.43) 2366.79,4028.93 ; v2@2369.7,4474.7 cw(c2356.89,4461.89) 2375,4461.89 cw(c2393.11,4461.89) v2@2380.3,4474.7 ; F5.1@2371.19,3986.11 cw(c2402.73,4009.41) 2375,4037.14 ; v2(2375,4480) 2375,4037.15
ADC1: C26.1 DW2.K S10.4 U8.34 | length 2570.4
  Top Layer w15: U8.34@1956,1477 1668,1477 1635,1510 1635,1930 1660,1955 2590,1955 2615,1980 C26.1@2615,2135 2620,2140 2685,2140 2700,2155 DW2.K@2700,2210 2750,2260 2750,2346.24 2705,2391.24 S10.4@2705,2393.74 ; C26.1@2606.16,2121.16 cw(c2584.82,2099.82) 2615,2099.82 cw(c2645.18,2099.82) C26.1@2623.84,2121.16 ; C26.1@2623.84,2131.16 cw(c2645.18,2109.82) 2645.18,2140 cw(c2645.18,2170.18) C26.1@2623.84,2148.84 ; DW2.K@2687.63,2197.63 cw(c2657.75,2167.75) 2700,2167.75 cw(c2742.25,2167.75) DW2.K@2712.37,2197.63 ; DW2.K@2705,2227.5 ccw(c2705,2257.68) 2726.34,2236.34 ; S10.4@2705,2377.62 cw(c2705,2344.73) 2728.25,2367.99 ; S10.4@2721.12,2393.74 ccw(c2766.08,2393.74) 2734.29,2361.95 ; DW2.K@2722.5,2210 cw(c2776.82,2210) 2738.41,2248.41
ADC2: C25.1 DW1.K S9.4 U8.35 | length 2379
  Top Layer w15: U8.35@1956,1446 1649,1446 1610,1485 1610,1955 1635,1980 2305,1980 2340,2015 C25.1@2340,2135 2420,2135 2435,2150 DW1.K@2435,2210 2480,2255 2480,2346.13 S9.4@2432.39,2393.74 ; C25.1@2331.16,2121.16 cw(c2309.82,2099.82) 2340,2099.82 cw(c2370.18,2099.82) C25.1@2348.84,2121.16 ; C25.1@2348.84,2126.16 cw(c2370.18,2104.82) 2370.18,2135 cw(c2370.18,2165.18) C25.1@2348.84,2143.84 ; DW1.K@2422.63,2197.63 cw(c2392.75,2167.75) 2435,2167.75 cw(c2477.25,2167.75) DW1.K@2447.37,2197.63 ; S9.4@2432.39,2377.62 cw(c2432.39,2338.7) 2459.91,2366.22 cw(c2487.43,2393.74) S9.4@2448.51,2393.74 ; DW1.K@2440,2227.5 ccw(c2440,2257.68) 2461.34,2236.34 ; DW1.K@2457.5,2210 cw(c2511.82,2210) 2473.41,2248.41
ADC3: C33.1 DW4.K S12.4 U8.36 | length 2201.9
  Top Layer w15: U8.36@1956,1414 1611,1414 1585,1440 1585,1984.64 1605.36,2005 2045,2005 2065,2025 C33.1@2065,2135 2140,2135 2155,2150 DW4.K@2155,2210 2170,2210 2205,2245 ; C33.1@2056.16,2121.16 cw(c2034.82,2099.82) 2065,2099.82 cw(c2095.18,2099.82) C33.1@2073.84,2121.16 ; C33.1@2073.84,2126.16 cw(c2095.18,2104.82) 2095.18,2135 cw(c2095.18,2165.18) C33.1@2073.84,2143.84 ; DW4.K@2142.63,2197.63 cw(c2112.75,2167.75) 2155,2167.75 cw(c2197.25,2167.75) DW4.K@2167.37,2197.63 ; S12.4@2159.78,2393.74 2171.26,2393.74 2205,2360 ; S12.4@2160.32,2377.63 cw(c2162.36,2317.37) 2205,2360 ; DW4.K@2160.6,2227.49 ccw(c2162.65,2287.35) 2205,2245 ; DW4.K@2177.5,2210 cw(c2195.61,2210) DW4.K@2182.8,2222.8 ; 2205,2245 2205,2360
ADC4: C31.1 DW3.K S11.4 U8.37 | length 1991.2
  Top Layer w15: C31.1@1791.16,2121.16 cw(c1769.82,2099.82) 1800,2099.82 cw(c1830.18,2099.82) C31.1@1808.84,2121.16 ; C31.1@1808.84,2126.16 cw(c1830.18,2104.82) 1830.18,2135 cw(c1830.18,2165.18) C31.1@1808.84,2143.84 ; DW3.K@1877.63,2197.63 cw(c1847.75,2167.75) 1890,2167.75 cw(c1932.25,2167.75) DW3.K@1902.37,2197.63 ; S11.4@1887.16,2377.62 cw(c1887.16,2338.7) 1914.69,2366.22 cw(c1942.21,2393.74) S11.4@1903.29,2393.74 ; S11.4@1887.16,2393.74 1930,2350.9 1930,2250 DW3.K@1890,2210 1890,2155 1870,2135 C31.1@1800,2135 1800,2060 1770,2030 1595,2030 1560,1995 1560,1415 1592,1383 U8.37@1956,1383 ; DW3.K@1895,2227.5 ccw(c1895,2257.68) 1916.34,2236.34 ; DW3.K@1912.5,2210 cw(c1966.82,2210) 1928.41,2248.41